# Altium PCB PCB.PcbDoc (part 3 of 3)
Units mil, origin at the board's own origin, x right, y up, seen from the top; angles counter-clockwise.
Board outline 5118.11 x 3622.05 mil, 2 copper layers (Top Layer, Bottom Layer), stack 61.811 mil thick; 308 components, 151 nets, 766 pads, 1310 vias.
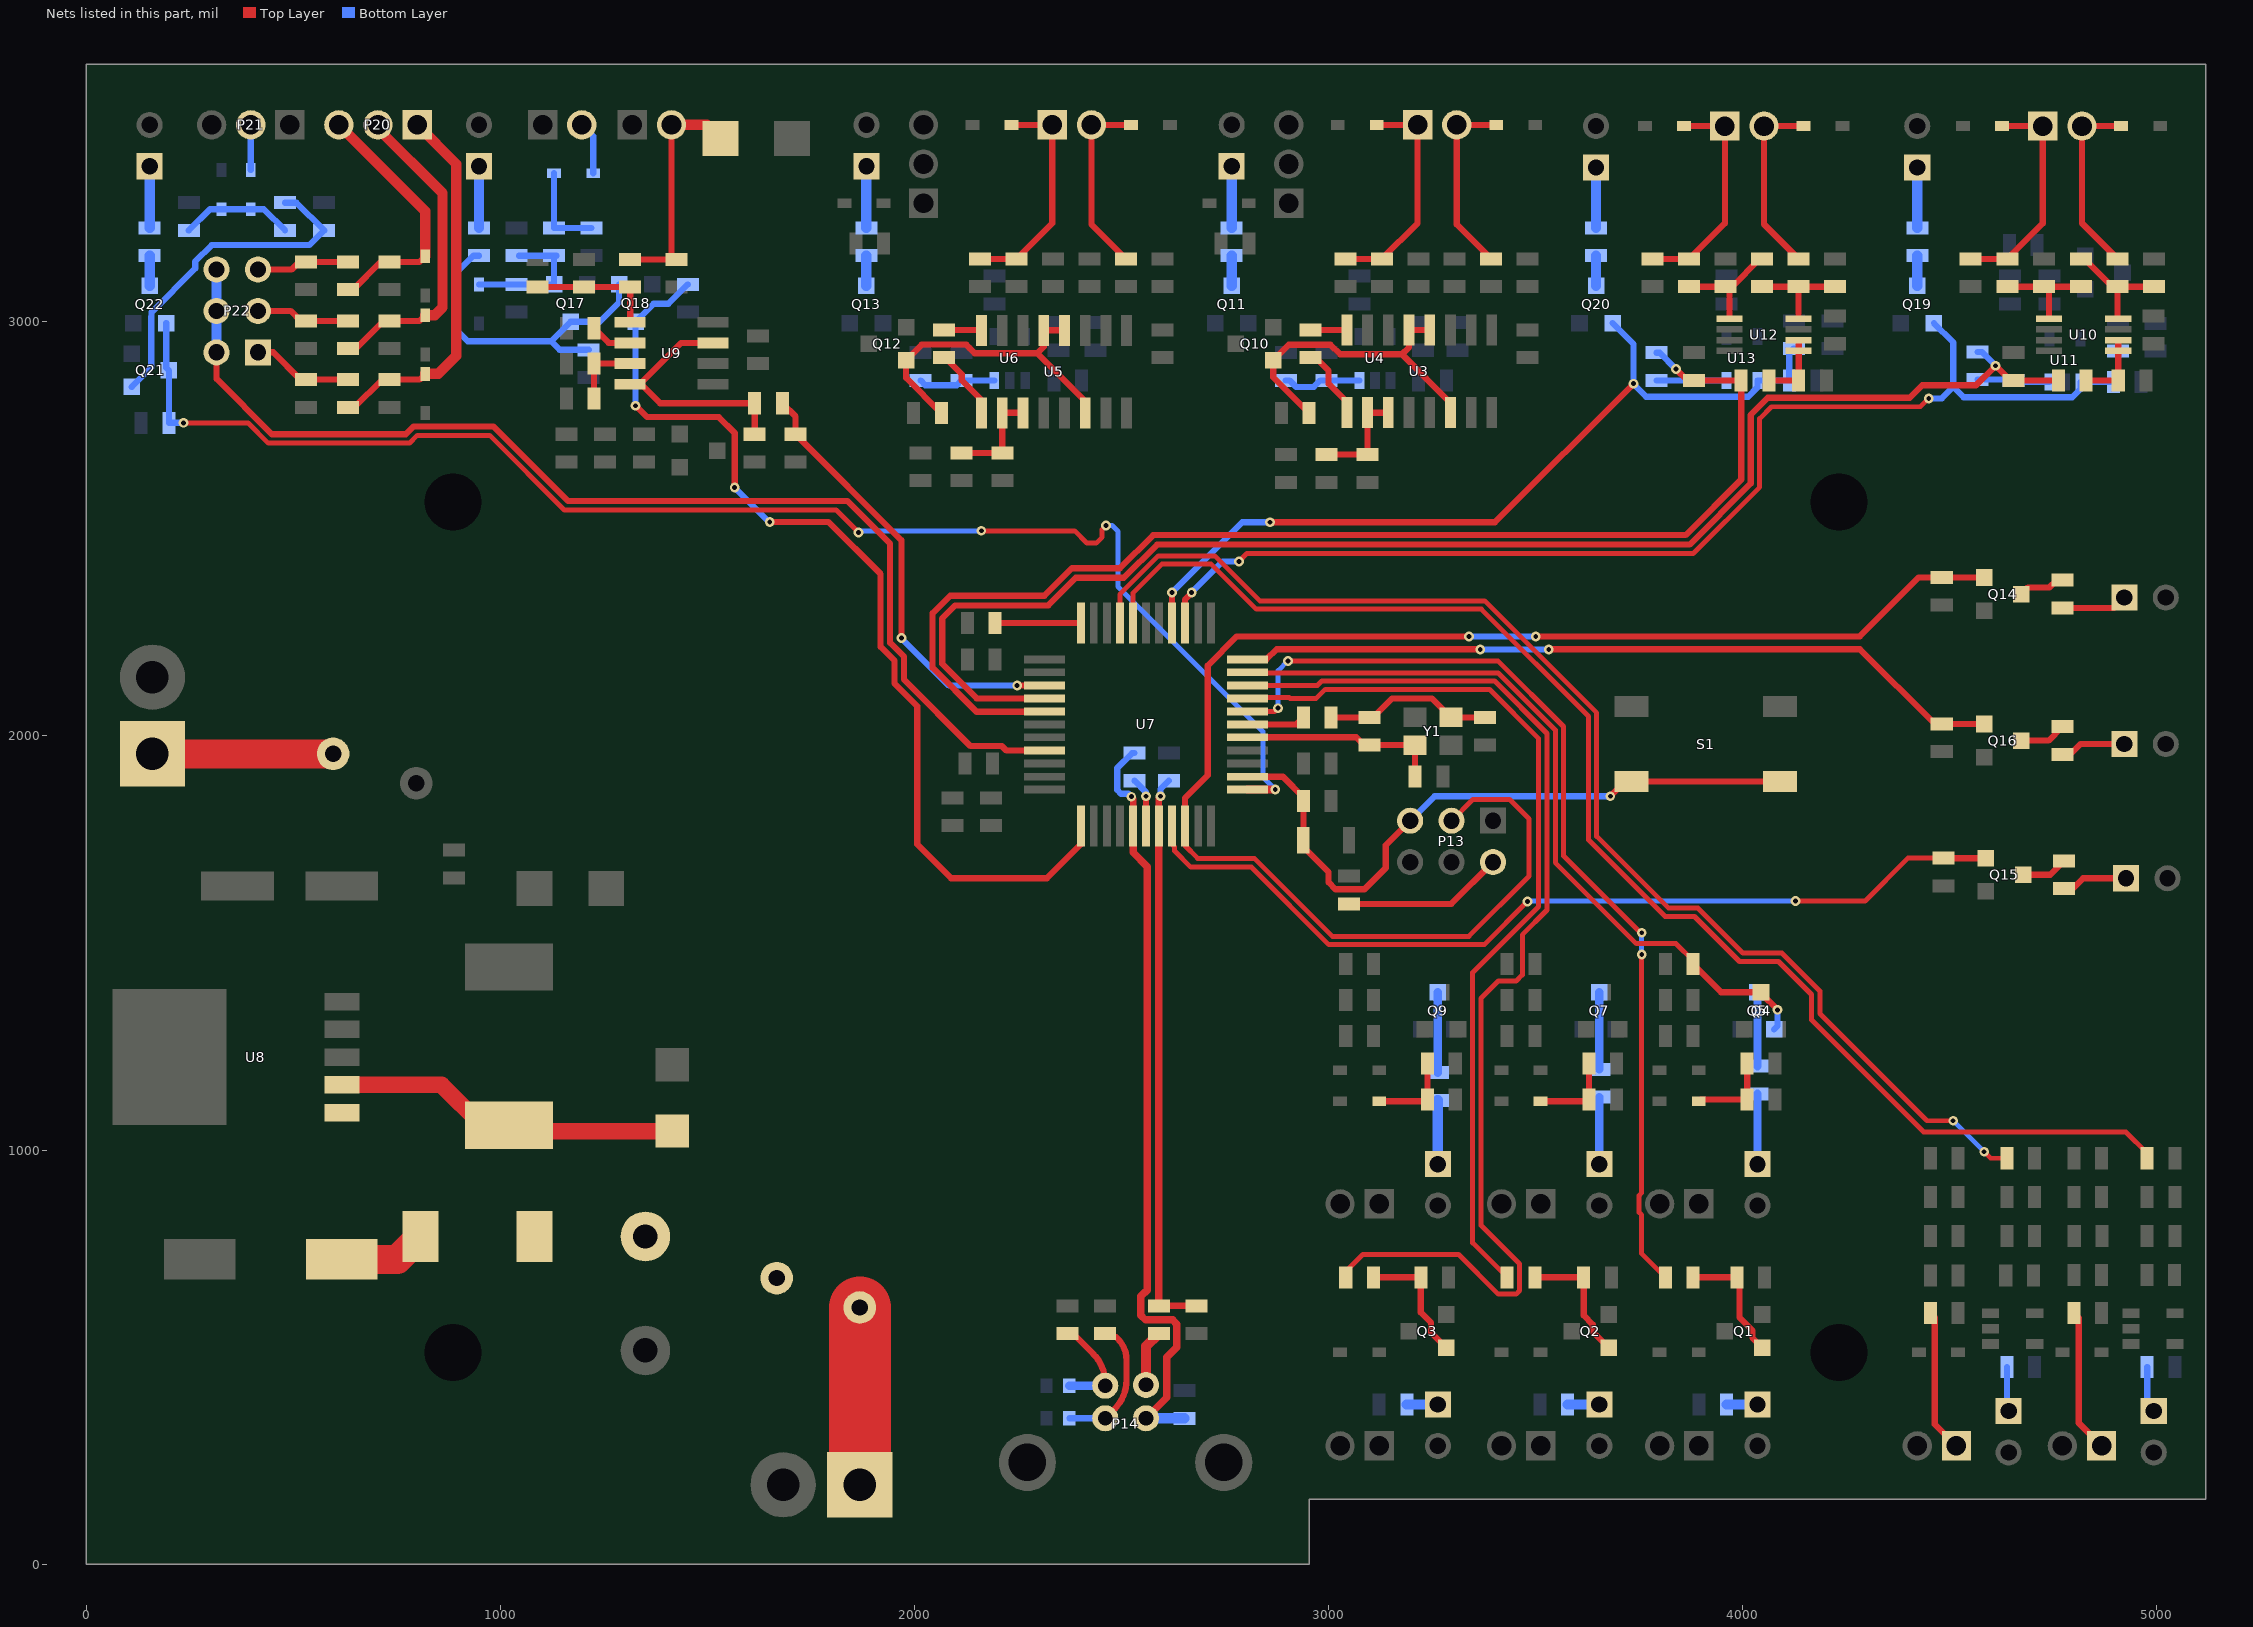
[diagram p3: the nets of this part, all layers, seen from the top]

## Via types
v1: diameter 23.62, hole 11.81, Top Layer to Bottom Layer, tented both sides, 1308 vias
v2: diameter 23.62, hole 11.81, Top Layer to Bottom Layer, 2 vias

## Nets (pads, with @x,y where several pads share a name; then routed paths per layer and width w, separated by ;. In a path a pad name is that pad's centre, name@x,y a point inside that pad or via, vN(x,y) a via of type N, cw(c..) or ccw(c..) an arc to the next point about the centre after c; other vN are vias at no path point) (continued)
NetC34_2: C34.2 U7.6 | length 120.6
  Top Layer w15: U7.6@2559.06,1782.56 v2(2559.06,1854.33)
  Bottom Layer w15: C34.2@2531.5,1891.73 2559.06,1864.17 v2(2559.06,1854.33)
NetC37_1: C37.1 D8.2 U8.1 | length 212.3
  Top Layer w70: C37.1@617.58,736.22 751.97,736.22 D8.2@807.09,791.34
NetC41_2: C41.2 C42.2 R73.1 U9.1 | length 308.1
  Top Layer w15: C42.2@1090.35,3083.54 C41.2@1202.03,3083.54 R73.1@1313.71,3083.54 U9.1@1313.71,2998.82
NetC43_2: C43.2 R74.2 U7.36 | length 1079
  Top Layer w15: R74.2@1681.1,2803.15 1712.8,2771.46 C43.2@1712.8,2728.35 1968.5,2472.64 v1(1968.5,2236.22) ; v1(2248.03,2121.56) U7.36@2314.06,2121.56
  Bottom Layer w15: v1(1968.5,2236.22) 2083.17,2121.56 v1(2248.03,2121.56)
NetC44_2: C44.2 U9.2 | length 102
  Top Layer w15: C44.2@1226.38,2984.25 1261.81,2948.82 U9.2@1313.71,2948.82
NetC45_2: C45.2 R77.1 U9.3 | length 171.2
  Top Layer w15: R77.1@1226.38,2814.96 C45.2@1226.38,2898.82 U9.3@1313.71,2898.82
NetC46_2: C46.2 D13.2 Q17.1 R81.1 R82.2 | length 341.1
  Bottom Layer w15: D13.2@948.82,3090 R82.2@1039.37,3090 Q17.1@1129.92,3090 R81.1@1129.92,3159.45 ; C46.2@1045.08,3159.45 R81.1@1135.63,3159.45
NetC51_1: C51.1 C54.2 R90.1 U10.8 | length 283.6
  Top Layer w15: C51.1@4815.98,3151.57 4824.8,3151.57 4891.73,3084.65 R90.1@4904.65,3084.65 ; U10.8@4906.5,3006.89 4904.65,3008.74 R90.1@4904.65,3084.65 ; C54.2@4993.31,3084.65 R90.1@4904.65,3084.65
NetC51_2: C51.2 C55.2 R87.1 U10.1 | length 260
  Top Layer w15: R87.1@4638.66,3084.65 C55.2@4727.32,3084.65 ; U10.1@4739.17,3006.89 4739.17,3072.8 C55.2@4727.32,3084.65 ; C51.2@4815.98,3084.65 C55.2@4727.32,3084.65
NetC58_1: C58.1 C61.2 R100.1 U12.8 | length 254
  Top Layer w15: C58.1@4046.38,3084.65 R100.1@4134.41,3084.65 ; U12.8@4134.84,3006.89 4134.41,3007.32 R100.1@4134.41,3084.65 ; C61.2@4222.44,3084.65 R100.1@4134.41,3084.65
NetC58_2: C58.2 C62.2 R97.1 U12.1 | length 285.3
  Top Layer w15: R97.1@3870.31,3084.65 C62.2@3958.35,3084.65 ; U12.1@3967.52,3006.89 3967.52,3075.47 C62.2@3958.35,3084.65 ; C58.2@4046.38,3151.57 4041.34,3151.57 3974.41,3084.65 C62.2@3958.35,3084.65
NetC66_2: C66.2 Q21.1 R111.2 | length 831
  Bottom Layer w15: Q21.1@110.04,2842.52 157.48,2889.96 157.48,3011.81 158.04,3012.37 158.04,3023.03 263.78,3128.77 263.78,3145.67 303.15,3185.04 539.37,3185.04 C66.2@574.8,3220.47 507.87,3287.4 R111.2@480.32,3287.4
NetD1_1: D1.1 R20.2 R23.2 | length 205
  Top Layer w15: D1.1@3893.7,1118.11 3897.64,1122.05 R23.2@4010.47,1122.05 R20.2@4010.47,1208.66
NetD2_1: D2.1 R22.2 R25.1 | length 205
  Top Layer w15: D2.1@3122.05,1118.11 3234.88,1118.11 R25.1@3238.81,1122.05 R22.2@3238.81,1208.66
NetD6_1: D6.1 R21.2 R24.1 | length 205
  Top Layer w15: D6.1@3511.81,1118.11 3624.64,1118.11 R24.1@3628.58,1122.05 R21.2@3628.58,1208.66
NetD8_1: D8.1 F1.2 TZ10.2
NetD9_2: D9.2 L4.1 U8.2 | length 843.9
  Top Layer w40: U8.2@617.58,1157.48 858.27,1157.48 955.71,1060.04 L4.1@1020.67,1060.04 1034.8,1045.91 D9.2@1415.24,1045.91
NetD11_1: D11.1 R79.2 R81.2 | length 222.4
  Bottom Layer w15: D11.1@1129.92,3358.27 R81.2@1129.92,3226.38 R79.2@1220.47,3226.38
NetD11_2: D11.2 P17.2 | length 128.4
  Bottom Layer w15: P17.2@1196.85,3475.28 1224.41,3447.72 D11.2@1224.41,3358.27
NetD14_1: D14.1 P21.2 | length 109.1
  Bottom Layer w15: D14.1@397.64,3366.14 P21.2@397.64,3475.28
NetD14_2: D14.2 R111.1 R112.1 TZ19.2 | length 274.7
  Bottom Layer w15: R112.1@248.03,3220.47 299.21,3271.65 TZ19.2@326.77,3271.65 D14.2@397.64,3271.65 429.13,3271.65 R111.1@480.32,3220.47
NetF1_1: F1.1 P15.1 | length 428.1
  Top Layer w150: P15.1@1868.11,191.93 F1.1@1868.11,620.08
NetF2_2: F2.2 P23.1 | length 436.3
  Top Layer w70: P23.1@160.16,1956.69 F2.2@596.46,1956.69
NetL2_1: L2.1 P14.1 | length 136.9
  Top Layer w25: P14.1@2559.05,433.07 2559.05,526.09 L2.1@2590.06,557.09
NetLED1_1: LED1.1 R5.1 | length 112.8
  Bottom Layer w15: R5.1@4976.38,476.38 4976.38,385.83 LED1.1@4992.13,370.08
NetLED2_1: LED2.1 R6.1 | length 107.9
  Bottom Layer w15: R6.1@4637.8,476.38 4637.8,374.02 LED2.1@4641.73,370.08
NetLED3_1: LED3.1 R14.1 | length 74.8
  Bottom Layer w25: R14.1@3960.63,385.83 LED3.1@4035.43,385.82
NetLED4_1: LED4.1 R15.1 | length 76.8
  Bottom Layer w25: R15.1@3576.77,385.83 LED4.1@3653.54,385.82
NetLED5_1: LED5.1 R16.1 | length 74.8
  Bottom Layer w25: R16.1@3188.98,385.83 LED5.1@3263.78,385.82
NetLED6_1: LED6.1 R29.1 | length 169.7
  Bottom Layer w20: LED6.1@4035.43,966.15 R29.1@4035.43,1135.83
NetLED7_1: LED7.1 R30.1 | length 161.8
  Bottom Layer w20: LED7.1@3653.54,966.15 R30.1@3653.54,1127.95
NetLED8_1: LED8.1 R31.1 | length 153.9
  Bottom Layer w25: LED8.1@3263.78,966.15 R31.1@3263.78,1120.08
NetLED9_1: LED9.1 R45.1 | length 148.9
  Bottom Layer w25: R45.1@2765.94,3226.38 LED9.1@2765.95,3375.28
NetLED10_1: LED10.1 R53.1 | length 148.9
  Bottom Layer w25: R53.1@1884.06,3226.38 LED10.1@1884.06,3375.28
NetLED11_1: LED11.1 R66.2 | length 159.9
  Top Layer w15: R66.2@4771.65,2309.06 4896.29,2309.06 LED11.1@4921.26,2334.02
NetLED12_1: LED12.1 R67.2 | length 159.9
  Top Layer w15: R67.2@4775.59,1631.26 4796.61,1631.26 4821.58,1656.23 LED12.1@4925.2,1656.23
NetLED13_1: LED13.1 R68.2 | length 159.9
  Top Layer w15: R68.2@4771.65,1955.35 4790,1955.35 4814.97,1980.32 LED13.1@4921.26,1980.32
NetLED14_1: LED14.1 R83.1 | length 148.9
  Bottom Layer w25: R83.1@948.82,3226.38 LED14.1@948.82,3375.28
NetLED15_1: LED15.1 R93.1 | length 146.1
  Bottom Layer w25: R93.1@4421.26,3226.38 LED15.1@4421.26,3372.44
NetLED16_1: LED16.1 R103.1 | length 146.1
  Bottom Layer w25: R103.1@3645.67,3226.38 LED16.1@3645.67,3372.44
NetLED17_1: LED17.1 R113.1 | length 148.9
  Bottom Layer w25: R113.1@153.54,3226.38 LED17.1@153.54,3375.28
NetP1_1: P1.1 R1.1 | length 348.2
  Top Layer w15: R1.1@4799.21,606.3 4810.91,594.6 4810.91,341.06 P1.1@4866.14,285.82
NetP2_1: P2.1 R7.1 | length 346.6
  Top Layer w15: R7.1@4452.76,606.3 4463.58,595.47 4463.58,337.99 P2.1@4515.75,285.82
NetP10_1: P10.1 R43.2 R46.2 TZ7.2 | length 545.9
  Top Layer w15: R46.2@3040.35,3151.57 R43.2@3128.39,3151.57 3214.76,3237.95 P10.1@3214.76,3475.28 TZ7.2@3116.34,3475.28
NetP10_2: P10.2 R39.2 TZ6.2 | length 453.5
  Top Layer w15: R39.2@3392.48,3151.57 3309.25,3234.8 P10.2@3309.25,3475.28 TZ6.2@3404.53,3475.28
NetP12_1: P12.1 R56.2 R58.2 TZ9.2 | length 545.9
  Top Layer w15: R58.2@2158.46,3151.57 R56.2@2246.5,3151.57 2332.87,3237.95 P12.1@2332.87,3475.28 TZ9.2@2234.45,3475.28
NetP12_2: P12.2 R54.2 TZ8.2 | length 453.5
  Top Layer w15: R54.2@2510.59,3151.57 2427.36,3234.8 P12.2@2427.36,3475.28 TZ8.2@2522.64,3475.28
NetP13_2: P13.2 R62.1 | length 389.4
  Top Layer w15: R62.1@3049.21,1594.49 3296.06,1594.49 P13.2@3396.85,1695.28
NetP14_2: P14.2 R64.1 Z1.2 | length 251.9
  Top Layer w15: R64.1@2370.08,557.09 cw(c2370.08,526.2) 2391.92,548.04 2431.34,508.62 cw(c2360.63,437.91) 2460.63,437.91 P14.2@2460.63,431.18
  Bottom Layer w20: Z1.2@2374.02,431.18 P14.2@2460.63,431.18
NetP14_3: P14.3 R65.1 Z2.2 | length 335
  Top Layer w15: P14.3@2460.63,352.44 2482.77,374.58 ccw(c2412.06,445.29) 2512.06,445.29 2512.06,493.41 ccw(c2439.73,493.41) 2490.87,544.56 ccw(c2460.63,514.31) R65.1@2460.63,557.09
  Bottom Layer w15: Z2.2@2374.02,352.44 P14.3@2460.63,352.44
NetP16_2: P16.2 R73.2 R75.1 TZ11.2 | length 573.1
  Top Layer w15: R73.2@1313.71,3150.47 R75.1@1425.39,3150.47 1413.39,3162.48 P16.2@1413.39,3475.28
  Top Layer w25: P16.2@1413.39,3475.28 1498.74,3475.28 TZ11.2@1531.5,3442.52
NetP18_1: P18.1 R87.2 R94.2 TZ12.2 | length 543.5
  Top Layer w15: R94.2@4550,3151.57 R87.2@4638.66,3151.57 4724.41,3237.32 P18.1@4724.41,3472.44 TZ12.2@4625.98,3472.44
NetP18_2: P18.2 R90.2 TZ13.2 | length 450.9
  Top Layer w15: R90.2@4904.65,3151.57 4818.9,3237.32 P18.2@4818.9,3472.44 TZ13.2@4913.39,3472.44
NetP19_1: P19.1 R97.2 R104.2 TZ14.2 | length 543.1
  Top Layer w15: R104.2@3782.28,3151.57 R97.2@3870.31,3151.57 3956.69,3237.95 P19.1@3956.69,3472.44 TZ14.2@3858.27,3472.44
NetP19_2: P19.2 R100.2 TZ15.2 | length 450.6
  Top Layer w15: R100.2@4134.41,3151.57 4051.18,3234.8 P19.2@4051.18,3472.44 TZ15.2@4146.46,3472.44
NetP22_2: P22.2 P22.4 P22.6 U7.41 | length 2823.1
  Top Layer w15: P22.2@314.96,2926.06 314.96,2862.2 448.82,2728.35 771.84,2728.35 790.73,2747.23 983.31,2747.23 1163.62,2566.93 1838.58,2566.93 1941.19,2464.32 1941.19,2224.91 1974.93,2191.17 1974.93,2135.87 2135.16,1975.63 2211.14,1975.63 2222.22,1964.56 U7.41@2314.06,1964.56
  Bottom Layer w25: P22.2@314.96,2926.06 P22.4@314.96,3026.06 P22.6@314.96,3126.06
NetQ1_1: Q1.1 R11.2 R17.1 | length 301
  Top Layer w15: R17.1@3879.92,692.91 R11.2@3985.78,692.91 3992.19,686.5 3992.19,595.57 4023.62,564.14 4023.62,546.06 Q1.1@4046.69,522.99
NetQ2_1: Q2.1 R12.2 R18.1 | length 312.8
  Top Layer w15: R18.1@3498.03,692.91 R12.2@3615.7,692.91 3615.7,600.84 3637.8,578.74 3637.8,561.81 Q2.1@3676.61,522.99
NetQ3_1: Q3.1 R13.2 R19.1 | length 309.4
  Top Layer w15: R19.1@3108.27,692.91 R13.2@3222.55,692.91 3222.55,608.16 3247.4,583.31 3247.4,559.06 Q3.1@3283.46,522.99
NetQ4_2: Q4.2 Q5.1 R32.2 U7.21 | length 1862.3
  Top Layer w12: U7.21@2804.06,2153.56 2805.19,2152.43 3409.06,2152.43 3547.24,2014.24 3547.24,1693.81 3742.8,1498.25 3838.62,1498.25 3879.92,1456.95 R32.2@3879.92,1448.82
  Top Layer w15: R32.2@3879.92,1448.82 3947.4,1381.34 Q4.2@4043.93,1381.34 4043.93,1378.58 v1(4083.93,1338.58)
  Bottom Layer w15: Q5.1@4075.43,1291.34 4083.93,1299.84 v1(4083.93,1338.58)
NetQ5_2: Q5.2 R29.2 | length 178.6
  Bottom Layer w20: R29.2@4035.43,1202.76 Q5.2@4035.43,1381.34
NetQ7_2: Q7.2 R30.2 | length 186.5
  Bottom Layer w20: R30.2@3653.54,1194.88 Q7.2@3653.54,1381.34
NetQ9_2: Q9.2 R31.2 | length 194.3
  Bottom Layer w20: R31.2@3263.78,1187.01 Q9.2@3263.78,1381.34
NetQ10_1: Q10.1 R35.2 U3.4 U3.5 U3.14 | length 805
  Top Layer w15: R35.2@2952.76,2779.53 2866.14,2866.14 Q10.1@2866.14,2906.85 2903.93,2944.63 3004.18,2944.63 3027.56,2921.26 3177.17,2921.26 ; U3.4@3244.09,2980.32 U3.5@3194.09,2980.32 3194.09,2938.19 3177.17,2921.26 ; U3.14@3294.09,2780.32 3294.09,2804.33 3177.17,2921.26
NetQ11_2: Q11.2 R45.2 | length 72.8
  Bottom Layer w25: Q11.2@2765.94,3086.61 R45.2@2765.94,3159.45
NetQ12_1: Q12.1 R48.2 U5.4 U5.5 U5.14 | length 807.8
  Top Layer w15: R48.2@2064.96,2779.53 1979.76,2864.72 Q12.1@1979.76,2906.85 2017.8,2944.88 2125.22,2944.88 2133.7,2936.39 2133.7,2935.41 2145.15,2923.96 2296.51,2923.96 ; U5.4@2362.2,2979.33 U5.5@2312.2,2979.33 2312.2,2939.66 2296.51,2923.96 ; U5.14@2412.2,2780.32 2412.2,2808.27 2296.51,2923.96
NetQ13_2: Q13.2 R53.2 | length 72.8
  Bottom Layer w25: Q13.2@1884.06,3086.61 R53.2@1884.06,3159.45
NetQ14_2: Q14.2 R66.1 | length 112.8
  Top Layer w15: Q14.2@4672.68,2342.52 4688.43,2358.27 4740.16,2358.27 4757.87,2375.98 R66.1@4771.65,2375.98
NetQ15_2: Q15.2 R67.1 | length 112.8
  Top Layer w15: Q15.2@4676.61,1664.72 4742.13,1664.72 R67.1@4775.59,1698.19
NetQ16_2: Q16.2 R68.1 | length 112.8
  Top Layer w15: Q16.2@4672.68,1988.82 4738.19,1988.82 R68.1@4771.65,2022.28
NetQ17_2: Q17.2 Q18.1 R83.2 R115.2 | length 796.3
  Bottom Layer w15: R83.2@948.82,3159.45 935.04,3159.45 893.7,3118.11 893.7,2980.31 921.26,2952.76 1122.68,2952.76 ; R115.2@1213.58,2932.09 1143.35,2932.09 1122.68,2952.76 ; Q18.1@1286.77,3090 1286.77,3046.61 1240.16,3000 Q17.2@1169.92,3000 1122.68,2952.76
NetQ18_2: Q18.2 R84.1 U7.1 | length 2399.4
  Top Layer w15: v1(1326.77,2797.24) 1354.33,2769.69 1527.56,2769.69 1565.94,2731.3 v1(1565.94,2599.41) ; v1(1650.59,2516.73) 1792.32,2516.73 1918.19,2390.86 1918.19,2215.38 1951.93,2181.64 1951.93,2126.34 2006.89,2071.38 2006.89,1738.19 2088.58,1656.5 2319.88,1656.5 2402.06,1738.67 U7.1@2402.06,1782.56
  Bottom Layer w15: v1(1326.77,2797.24) Q18.2@1326.77,3000 1370.08,3043.31 1406.06,3043.31 R84.1@1452.76,3090 ; v1(1565.94,2599.41) 1648.62,2516.73 v1(1650.59,2516.73)
NetQ19_2: Q19.2 R93.2 | length 72.8
  Bottom Layer w25: Q19.2@4421.26,3086.61 R93.2@4421.26,3159.45
NetQ20_2: Q20.2 R103.2 | length 72.8
  Bottom Layer w25: Q20.2@3645.67,3086.61 R103.2@3645.67,3159.45
NetQ21_2: Q21.2 Q22.1 R114.2 U7.12 | length 3556.9
  Top Layer w12: v1(235.24,2755.91) 390.85,2755.91 439.91,2706.85 780.74,2706.85 799.63,2725.73 974.41,2725.73 1154.71,2545.43 1810.87,2545.43 v1(1865.16,2491.14) ; v1(2161.52,2495.2) 2386.84,2495.2 2416.59,2465.45 2438.79,2465.45 2453.09,2479.75 2453.09,2498.37 v1(2462.6,2507.87) v1@2461.61,2507.87
  Top Layer w20: U7.12@2804.06,1870.56 v1(2871.06,1870.56)
  Bottom Layer w12: v1(1865.16,2491.14) 1869.22,2495.2 v1(2161.52,2495.2) ; v1(2462.6,2507.87) 2477.36,2507.87 2491.36,2493.87 2491.36,2360.45 2841.54,2010.28 2841.54,1900.09 v1(2871.06,1870.56)
  Bottom Layer w15: Q22.1@193.54,2996.61 193.54,2889.02 Q21.2@200.04,2882.52 R114.2@200.04,2755.91 v1(235.24,2755.91)
NetQ22_2: Q22.2 R113.2 | length 72.8
  Bottom Layer w25: Q22.2@153.54,3086.61 R113.2@153.54,3159.45
NetR2_2: R2.2 U7.29 | length 3361.6
  Top Layer w12: U7.29@2528.06,2272.56 2528.06,2345.53 2597.28,2414.75 2716.62,2414.75 2825.4,2305.97 3368.65,2305.97 3627.24,2047.38 3627.24,1749.21 3812.51,1563.94 3883.49,1563.94 3992.09,1455.34 4086.3,1455.34 4165.98,1375.65 4165.98,1314.33 4436.69,1043.62 4924.88,1043.62 4976.38,992.13 R2.2@4976.38,980.31
NetR8_2: R8.2 U7.30 | length 3058.3
  Top Layer w12: U7.30@2496.06,2272.56 2496.06,2341.81 2589,2434.75 2724.9,2434.75 2833.69,2325.97 3376.94,2325.97 3647.24,2055.66 3647.24,1757.49 3820.8,1583.94 3891.78,1583.94 4000.38,1475.34 4094.58,1475.34 4185.98,1383.94 4185.98,1329.76 4444.88,1070.87 v1(4507.87,1070.87) ; v1(4582.68,996.06) 4598.43,980.31 R8.2@4637.8,980.31
  Bottom Layer w12: v1(4507.87,1070.87) v1(4582.68,996.06)
NetR17_2: R17.2 U7.18 | length 2371.2
  Top Layer w12: U7.18@2804.06,2058.56 2869.58,2058.56 v1(2877.95,2066.93) ; v1(2901.57,2181.1) 3408.67,2181.1 3567.24,2022.52 3567.24,1710.31 3752.88,1524.68 v1(3756.09,1524.68) ; v1(3755.91,1472.44) 3755.91,896.7 3749.78,890.55 3749.78,849.6 3755.91,843.48 3755.91,750 R17.2@3812.99,692.91
  Bottom Layer w12: v1(2877.95,2066.93) 2877.95,2157.48 v1(2901.57,2181.1) ; v1(3755.91,1472.44) 3755.91,1524.5 v1(3756.09,1524.68)
NetR18_2: R18.2 U7.19 | length 2164.3
  Top Layer w12: U7.19@2804.06,2090.56 2806.24,2092.74 2904.39,2092.74 2906.57,2090.56 2970.12,2090.56 2991.98,2112.43 3388.25,2112.43 3507.24,1993.43 3507.24,1587.95 3347.89,1428.6 3347.89,776.13 R18.2@3431.1,692.91
NetR19_2: R19.2 U7.20 | length 2748.7
  Top Layer w12: U7.20@2804.06,2121.56 2972.83,2121.56 2983.7,2132.43 3400.78,2132.43 3527.24,2005.96 3527.24,1579.67 3467.52,1519.94 3467.52,1423.11 3452.65,1408.24 3409.56,1408.24 3367.89,1366.58 3367.89,818.25 3460.85,725.29 3460.85,660.54 3452.65,652.34 3409.56,652.34 3313.86,748.03 3082.68,748.03 3041.34,706.69 R19.2@3041.34,692.91
NetR36_1: R36.1 U3.9 | length 176.2
  Top Layer w15: R36.1@2956.69,2913.39 2968.5,2913.39 3000,2881.89 3000,2850.39 3044.09,2806.3 U3.9@3044.09,2780.32
NetR36_2: R36.2 U3.8 | length 87.4
  Top Layer w15: R36.2@2956.69,2980.32 U3.8@3044.09,2980.32
NetR38_2: R38.2 R41.2 U4.3 | length 191.3
  Bottom Layer w15: R41.2@2896.57,2858.27 2905.51,2858.27 2921.26,2842.52 2964.57,2842.52 2980.31,2858.27 R38.2@2995.33,2858.27 U4.3@3074.8,2858.27
NetR40_1: R40.1 R44.1 U3.10 U3.11 | length 249.9
  Top Layer w15: R40.1@2995.33,2679.13 R44.1@3094.09,2679.13 U3.10@3094.09,2780.32 U3.11@3144.09,2780.32
NetR49_2: R49.2 R50.2 U6.3 | length 187.8
  Bottom Layer w15: R50.2@2014.69,2858.27 2026.25,2846.7 2101.88,2846.7 R49.2@2113.45,2858.27 U6.3@2192.91,2858.27
NetR51_1: R51.1 U5.9 | length 172.8
  Top Layer w15: R51.1@2070.87,2913.39 2074.06,2913.39 2114.17,2873.27 2114.17,2858.27 2162.2,2810.24 U5.9@2162.2,2780.32
NetR51_2: R51.2 U5.8 | length 91.7
  Top Layer w15: R51.2@2070.87,2980.32 2161.22,2980.32 U5.8@2162.2,2979.33
NetR55_1: R55.1 R57.1 U5.10 U5.11 | length 246
  Top Layer w15: R55.1@2113.45,2683.07 R57.1@2212.2,2683.07 2212.2,2780.32 U5.11@2262.2,2780.32
NetR61_2: R61.2 U7.17 | length 142
  Top Layer w15: U7.17@2804.06,2027.56 2921.85,2027.56 R61.2@2938.98,2044.69
NetR63_2: R63.2 U7.33 | length 207.2
  Top Layer w15: R63.2@2194.88,2272.56 U7.33@2402.06,2272.56
NetR74_1: R74.1 R76.1 U9.4 U9.7 | length 612.3
  Top Layer w15: U9.4@1313.71,2848.82 U9.4@1337.01,2848.82 ; U9.7@1513.71,2948.82 1437.01,2948.82 U9.4@1337.01,2848.82 ; R76.1@1614.17,2728.35 R74.1@1614.17,2803.15 1385.83,2803.15 1340.16,2848.82 U9.4@1337.01,2848.82
NetR86_2: R86.2 R89.2 U11.3 | length 175.7
  Bottom Layer w15: R89.2@4566.93,2860.24 4651.57,2860.24 R86.2@4653.54,2858.27 4657.61,2854.2 U11.3@4740.16,2854.2
NetR88_1: R88.1 R92.1 U10.5 U10.6 | length 175.2
  Top Layer w15: R88.1@4828.74,2858.27 R92.1@4906.5,2858.27 U10.5@4906.5,2930.12 U10.6@4906.5,2955.71
NetR96_2: R96.2 R99.2 U13.3 | length 169.3
  Bottom Layer w15: R99.2@3791.34,2858.27 R96.2@3881.89,2858.27 U13.3@3960.63,2858.27
NetR98_1: R98.1 R102.1 U12.5 U12.6 | length 169.3
  Top Layer w15: R98.1@4062.99,2858.27 R102.1@4134.84,2858.27 U12.5@4134.84,2930.12 U12.6@4134.84,2955.71
RST: D7.1 P13.5 R60.2 S1.3 S1.4 U7.13 | length 1622.9
  Top Layer w15: U7.13@2804.06,1901.56 2889.78,1901.56 2938.98,1852.36 R60.2@2938.98,1842.52 D7.1@2938.98,1748.03 2938.98,1732.28 3000,1671.26 3000,1646.39 3016.47,1629.92 3086.61,1629.92 3137.8,1681.1 3137.8,1736.22 P13.5@3196.85,1795.28 ; v1(3680.12,1854.33) 3715.55,1889.76 S1.3@3731.3,1889.76 S1.4@4089.57,1889.76
  Bottom Layer w15: P13.5@3196.85,1795.28 3255.91,1854.33 v1(3680.12,1854.33)
RXLED: Q15.1 R70.2 U7.8 | length 2201.8
  Top Layer w12: U7.8@2622.06,1782.56 2622.06,1738.18 2627.95,1732.28 2627.95,1722.44 2667.32,1683.07 2813.66,1683.07 3000.66,1496.06 3375.98,1496.06 v1(3480.32,1600.39) ; v1(4126.97,1601.38) 4295.28,1601.38 4398.62,1704.72 R70.2@4484.25,1704.72
  Top Layer w15: R70.2@4484.25,1704.72 Q15.1@4586.61,1704.72
  Bottom Layer w12: v1(3480.32,1600.39) 3481.76,1601.83 3482.21,1601.38 v1(4126.97,1601.38)
SCK: P13.3 Q14.1 R69.2 U7.9 | length 3777.3
  Top Layer w12: U7.9@2653.06,1782.56 2653.06,1735.31 2683.96,1704.41 2820.6,1704.41 3008.95,1516.06 3338.55,1516.06 3484.25,1661.76 3484.25,1799.21 3437.01,1846.46 3348.03,1846.46 P13.3@3296.85,1795.28
  Top Layer w15: U7.9@2653.06,1782.56 2653.06,1849.91 2708.06,1904.91 2708.06,2169.93 2778.28,2240.16 v1(3338.58,2240.16) ; v1(3500,2240.16) 4282.48,2240.16 4424.84,2382.52 R69.2@4480.32,2382.52 R69.2@4486.85,2382.52 ; R69.2@4480.32,2375.98 R69.2@4486.85,2382.52 ; Q14.1@4582.68,2382.52 R69.2@4486.85,2382.52
  Bottom Layer w15: v1(3338.58,2240.16) v1(3500,2240.16)
THERM_CON_1: Q19.1 R85.2 R91.1 U7.25 U11.1 | length 2898.1
  Top Layer w12: v1(2783.46,2421.26) 2802.58,2440.37 3880.31,2440.37 4040.56,2600.62 4040.56,2766.06 4069.19,2794.69 4428.55,2794.69 v1(4448.82,2814.96)
  Top Layer w15: U7.25@2653.06,2272.56 2653.06,2329.24 2670.28,2346.46 v1(2669.29,2346.46)
  Bottom Layer w15: v1(2669.29,2346.46) 2744.09,2421.26 v1(2783.46,2421.26) ; v1(4448.82,2814.96) 4480.31,2814.96 4507.87,2842.52 ; Q19.1@4461.26,2996.61 4507.87,2950 4507.87,2842.52 ; R85.2@4905.51,2929.13 4905.51,2865.03 R91.1@4894.69,2854.2 U11.1@4814.96,2854.2 4814.96,2837.21 4795.28,2817.52 4532.87,2817.52 4507.87,2842.52
THERM_CON_2: Q20.1 R95.2 R101.1 U7.26 U13.1 | length 2061.2
  Top Layer w15: U7.26@2622.06,2272.56 v1(2622.06,2346.46) ; v1(2858.27,2515.75) 3401.57,2515.75 v1(3736.22,2850.39)
  Bottom Layer w15: v1(2622.06,2346.46) 2791.35,2515.75 v1(2858.27,2515.75) ; Q20.1@3685.67,2996.61 3736.22,2946.06 v1(3736.22,2850.39) 3736.22,2849.14 3766.47,2818.9 4013.06,2818.9 4035.43,2841.27 U13.1@4035.43,2858.27 R101.1@4112.2,2858.27 4112.2,2924.21 R95.2@4123.03,2935.04
THERM_SIG_1: C52.2 R88.2 R89.1 U7.37 | length 3507.7
  Top Layer w15: U7.37@2314.06,2090.56 2150.34,2090.56 2066.93,2173.98 2066.93,2283.62 2098.27,2314.96 2322.83,2314.96 2389.52,2381.64 2505.48,2381.64 2585.71,2461.87 3871.41,2461.87 4019.06,2609.53 4019.06,2774.97 4060.29,2816.19 4402.81,2816.19 4433.07,2846.46 4562.99,2846.46 v1(4610.24,2893.7) 4645.67,2858.27 C52.2@4653.54,2858.27 R88.2@4761.81,2858.27
  Bottom Layer w15: R89.1@4566.93,2927.17 4576.77,2927.17 v1(4610.24,2893.7)
THERM_SIG_2: C59.2 R98.2 R99.1 U7.38 | length 3003.1
  Top Layer w15: U7.38@2314.06,2058.56 2149.82,2058.56 2043.93,2164.45 2043.93,2295.9 2086.61,2338.58 2313.93,2338.58 2380.24,2404.89 2496.2,2404.89 2576.19,2484.87 3861.88,2484.87 3996.06,2619.05 R98.2@3996.06,2858.27 C59.2@3881.89,2858.27 3866.14,2858.27 v1(3838.58,2885.82)
  Bottom Layer w15: R99.1@3791.34,2925.2 3799.2,2925.2 v1(3838.58,2885.82)
TXLED: Q16.1 R71.2 U7.22 | length 1864.1
  Top Layer w15: U7.22@2804.06,2184.56 2849.91,2184.56 2874.64,2209.28 3365.52,2209.28 v1(3366.14,2208.66) ; v1(3531.5,2208.66) 3532.12,2209.28 4282.84,2209.28 4463.31,2028.82 R71.2@4480.32,2028.82 Q16.1@4582.68,2028.82
  Bottom Layer w15: v1(3366.14,2208.66) v1(3531.5,2208.66)
UGND: C34.1 L3.2 P14.4 U7.5 | length 1872.6
  Top Layer w15: v1(2523.62,1853.35) 2528.06,1848.91 U7.5@2528.06,1782.56
  Top Layer w18: U7.5@2528.06,1782.56 2528.06,1718.55 2562.06,1684.55 2562.06,661.79 2557.02,656.76 2556.44,656.76 2546.48,646.81 2546.48,601.23 2557.87,589.83 2623.67,589.83 2633.63,579.88 2633.63,524.34 2609.25,499.96 2609.25,402.64 P14.4@2559.05,352.44
  Bottom Layer w15: v1(2523.62,1853.35) 2516.48,1860.48 2498.5,1860.48 2489.42,1869.56 2489.42,1922.49 2525.59,1958.66 C34.1@2531.5,1958.66
  Bottom Layer w25: P14.4@2559.05,352.44 L3.2@2651.57,352.44
VIB_X: P20.1 R105.2 R108.1 TZ16.2 | length 910.3
  Top Layer w15: R105.2@631.89,2793.31 647.64,2793.31 714.57,2860.24 R108.1@732.28,2860.24 805.12,2860.24 TZ16.2@818.9,2874.02
  Top Layer w25: P20.1@799.21,3475.28 893.7,3380.79 893.7,2917.32 850.39,2874.02 TZ16.2@818.9,2874.02
VIB_X_PROT: C63.2 P22.1 R105.1 | length 244.2
  Top Layer w15: P22.1@414.96,2926.06 451.89,2926.06 517.72,2860.24 C63.2@531.5,2860.24 R105.1@631.89,2860.24
VIB_Y: P20.2 R106.2 R109.1 TZ17.2 | length 775.2
  Top Layer w15: R106.2@631.89,2935.04 651.57,2935.04 718.5,3001.97 R109.1@732.28,3001.97 805.12,3001.97 TZ17.2@818.9,3015.75
  Top Layer w25: P20.2@704.72,3475.28 704.72,3466.54 860.7,3310.56 860.7,3034.91 841.54,3015.75 TZ17.2@818.9,3015.75
VIB_Y_PROT: C64.2 P22.3 R106.1 | length 226.9
  Top Layer w15: P22.3@414.96,3026.06 493.62,3026.06 517.72,3001.97 C64.2@531.5,3001.97 R106.1@631.89,3001.97
VIB_Z: P20.3 R107.2 R110.1 TZ18.2 | length 623.9
  Top Layer w15: R107.2@631.89,3077.52 644.45,3077.52 711.38,3144.45 R110.1@732.28,3144.45 805.12,3144.45 TZ18.2@818.9,3158.23
  Top Layer w25: P20.3@610.24,3475.28 818.9,3266.61 TZ18.2@818.9,3158.23
VIB_Z_PROT: C65.2 P22.5 R107.1 | length 224.5
  Top Layer w15: P22.5@414.96,3126.06 496.14,3126.06 514.53,3144.45 C65.2@531.5,3144.45 R107.1@631.89,3144.45
VUSB: C35.1 C36.1 L2.2 U7.7 | length 1368.8
  Top Layer w15: L2.2@2590.06,624.02 C35.1@2681.1,624.02 ; U7.7@2590.06,1782.56 2590.06,1850.39 v2(2593.99,1854.33)
  Top Layer w18: L2.2@2590.06,624.02 U7.7@2590.06,1782.56
  Bottom Layer w15: v2(2593.99,1854.33) 2593.99,1871.55 C36.1@2614.17,1891.73
XTAL1: C31.2 R59.2 U7.16 Y1.1 | length 488.6
  Top Layer w15: U7.16@2804.06,1996.56 3066.43,1996.56 3085.24,1977.76 R59.2@3098.43,1977.76 Y1.1@3208.66,1977.76 C31.2@3208.66,1901.57
XTAL2: C30.2 R59.1 R61.1 Y1.3 | length 410
  Top Layer w15: R61.1@3005.91,2044.69 R59.1@3098.43,2044.69 3107.68,2044.69 3153.54,2090.55 3249.41,2090.55 Y1.3@3295.28,2044.69 C30.2@3377.95,2044.69
pads on no net: D10.2 D12.2 H1.1 H2.1 H3.1 H4.1 U3.13 U3.15 U3.16 U5.13 U5.15 U5.16 U10.4 U12.4

## Polygon pours and split planes (outlines as drawn)
GND on Bottom Layer "GND_L02_P000" (solid, remove dead copper, pour order 0): 0,0 0,3622.05 5118.11,3622.05 5118.11,157.48 2952.76,157.48 2952.76,0
GND on Top Layer "GND_L01_P002" (solid, remove dead copper, pour order 2): 0,0 0,3622.05 5118.11,3622.05 5118.11,157.48 2952.76,157.48 2952.76,0

## Keep-outs
Keep-Out Layer:
  the board outline again, w10

## Other copper
Top Layer:
  region net 5V: 574.8,1313.08 681.1,1313.08 ccw(c681.1,1350.48) 718.5,1350.48 718.5,1542.32 ccw(c659.45,1542.32) 659.45,1601.38 529.48,1601.38 529.48,1674.21 543.68,1674.21 ccw(c543.68,1723.11) 592.58,1723.11 592.58,1826.18 cw(c692.58,1826.18) 692.58,1926.18 797.24,1926.18 cw(c797.24,1884.84) 838.58,1884.84 838.58,1696.85 ccw(c862.32,1696.85) 862.32,1673.11 1126.97,1674.21 1126.97,1369.69 cw(c1026.97,1369.68) 1026.97,1269.69 574.8,1269.69
  region net NetD9_2: 574.8,1179.13 1201.69,1179.13 cw(c1201.69,1079.13) 1272.4,1149.84 1314.96,1107.28 ccw(c1364.86,1157.18) 1364.86,1086.61 1455.71,1086.61 1455.71,1004.92 cw(c1450.96,1009.67) 1450.96,1002.95 886.89,1002.95 cw(c886.89,1102.95) 816.18,1032.24 741.89,1106.54 ccw(c671.18,1035.83) 671.18,1135.83 574.8,1135.83
  region net 5V: 3330.71,3018.7 3453.22,3018.7 cw(c3453.22,2941.41) 3507.87,2996.06 3507.87,2963.58 cw(c3457.97,3013.48) 3457.97,2942.91 3330.71,2942.91
  region net 5V: 2448.82,2941.93 2570.35,2941.93 ccw(c2570.35,3019.22) 2625,2964.57 2625,2996.06 ccw(c2572.72,2943.79) 2572.72,3017.72 2448.82,3017.72
  region net 5V: 1475.39,2835.63 1569.88,2835.63 ccw(c1569.88,2911.67) 1623.65,2857.9 1649.61,2883.86 1649.61,2915.35 1475.39,2915.35
  region net 5V: 2275.59,2227.36 ccw(c2287.4,2227.36) 2287.4,2215.55 cw(c2287.4,2200.79) 2302.17,2200.79 2302.17,2175.2 2325.79,2175.2 2325.79,2198.82 cw(c2341.54,2198.82) 2341.54,2214.57 ccw(c2341.54,2226.38) 2353.35,2226.38 2353.35,2227.36 ccw(c2341.54,2227.36) 2341.54,2239.17 2287.4,2239.17 ccw(c2287.4,2227.36)
  region net NetC37_1: 850.39,854.33 850.39,728.35 836.38,714.33 cw(c765.67,785.04) 765.67,685.04 527.56,685.04 527.56,1025.51 cw(c627.56,1025.51) 556.85,1096.22 574.8,1114.17 661.42,1114.17 661.42,1084.73 ccw(c761.42,1084.73) 690.71,1014.02
  region net XTAL2: 3125.98,2027.56 cw(c3181.1,2027.56) 3181.1,2082.68 3232.28,2082.68 cw(c3232.28,2047.24) 3267.72,2047.24 3267.72,2019.69 3393.7,2019.69 ccw(c3393.7,2031.5) 3405.51,2031.5 3405.51,2059.06 ccw(c3366.14,2059.06) 3366.14,2098.43 3011.81,2098.43 ccw(c3011.81,2074.8) 2988.19,2074.8 2988.19,2062.99
  region net XTAL1: 2755.91,2003.94 3240.16,2003.94 3240.16,1912.03 cw(c3186.4,1912.03) 3224.41,1874.02 3192.91,1874.02 ccw(c3145.4,1874.02) 3178.99,1907.62 3125.98,1960.63 3070.87,1960.63 ccw(c3010.04,1907.88) 3015.75,1988.19 2755.91,1988.19
  region net XTAL2: 2988.19,2015.75 3023.62,2015.75 cw(c3052.14,1987.23) 3052.14,2027.56 3125.98,2027.56 3125.98,2062.99 3052.14,2062.99 cw(c3052.14,2103.32) 3023.62,2074.8 2988.19,2074.8
  region net NetR61_2: 2751.97,2015.75 2751.97,2039.37 2885.83,2039.37 ccw(c2885.83,2074.8) 2921.26,2074.8 2956.69,2074.8 2956.69,2015.75
  region net 5V: 2736.22,1945.87 ccw(c2736.22,1934.06) 2724.41,1934.06 2724.41,1894.69 2720.02,1890.29 ccw(c2728.42,1881.89) 2716.54,1881.89 ccw(c2729.33,1881.89) 2729.33,1869.09 ccw(c2729.33,1880.91) 2741.14,1880.91 2741.14,1918.31 cw(c2746.06,1918.31) 2746.06,1923.23 ccw(c2746.06,1927.17) 2750,1927.17 2750,1933.07 ccw(c2737.2,1933.07) 2737.2,1945.87
  region net NetD8_1: 1033.46,861.22 1542.24,861.22 cw(c1542.24,761.22) 1612.95,831.93 1709.65,735.24 cw(c1678.76,704.35) 1722.44,704.35 1722.44,677.17 cw(c1684.42,677.17) 1711.31,650.28 1706.69,645.67 cw(c1675.8,676.56) 1675.8,632.87 1669.15,632.87 cw(c1669.15,715.69) 1610.59,657.13 1556.1,711.61 ccw(c1525.21,680.72) 1525.21,724.41 1033.46,724.41
Bottom Layer:
  region net 5V: 2312.59,1852.36 2311.61,1853.35 2298.23,1853.35 ccw(c2298.23,1830.05) 2274.93,1830.05 2274.93,1817.59 ccw(c2290.35,1817.59) 2290.35,1802.17 2314.96,1802.17 ccw(c2314.96,1823.82) 2336.61,1823.82
  region net 5V: 747.05,1940.94 735.24,1929.13 690.55,1929.13 ccw(c690.55,1829.13) 590.55,1829.13 590.55,1716.54 ccw(c630.91,1716.54) 630.91,1676.18 807.09,1676.18 ccw(c807.09,1707.68) 838.58,1707.68 838.58,1914.37 ccw(c812.01,1914.37) 812.01,1940.94

## Silkscreen, mask and mechanical layers (free items; w line width, h text height)
Top Overlay:
  lines w10: 288.11,1956.69 323.55,1956.69 ; 305.83,1938.98 305.83,1974.41 ; 305.83,2124.02 305.83,2159.45 ; 1090.55,3396.54 1122.05,3396.54 ; 1665.35,350.39 1700.79,350.39 ; 1850.39,350.39 1885.83,350.39 ; 1868.11,332.68 1868.11,368.11 ; 2084.84,3286.3 2116.34,3286.3 ; 2100.59,3270.55 2100.59,3302.05 ; 2100.59,3368.98 2100.59,3400.47 ; 2100.59,3463.46 2100.59,3494.96 ; 2966.73,3286.3 2998.23,3286.3 ; 2982.48,3270.55 2982.48,3302.05 ; 2982.48,3368.98 2982.48,3400.47 ; 2982.48,3463.46 2982.48,3494.96
  lines w12: 2675.2,3224.41 2675.2,3231.3 2693.9,3250
  text "-" at 316.27,3406.83 h39.37 r180
  text "c" at 410.76,3406.83 h39.37 r180
  text "+" at 505.24,3406.83 h39.37 r180
  text "z" at 623.36,3406.83 h39.37 r180
  text "x" at 812.33,3406.83 h39.37 r180
  text "c" at 1209.97,3406.83 h39.37 r180
  text "s-" at 1332.02,3406.83 h39.37 r180
  text "s+" at 1426.5,3406.83 h39.37 r180
  text "s-" at 2345.99,3406.83 h39.37 r180
  text "s+" at 2440.48,3406.83 h39.37 r180
  text "s-" at 3227.88,3406.83 h39.37 r180
  text "s+" at 3322.37,3406.83 h39.37 r180
  text "-" at 3969.81,3403.99 h39.37 r180
  text "+" at 4064.3,3403.99 h39.37 r180
  text "-" at 4737.53,3403.99 h39.37 r180
  text "+" at 4832.02,3403.99 h39.37 r180
  text "y" at 717.52,3400.59 h39.37 r180
  text "Thermocouple 1" at 5062.99,3357.28 h40 r180
  text "Thermocouple 2" at 4263.78,3353.35 h40 r180
  text "Vibration" at 704.72,3351.7 h40 r180
  text "CKP" at 1307.09,3351.7 h40 r180
  text "LoadCell 2" at 2563.79,3351.7 h40 r180
  text "LoadCell 1" at 3439.12,3351.7 h40 r180
  text "MCU SCK" at 4616.83,2503.94 h50
  text "UART TX" at 4608.95,2157.48 h50
  text "5V" at 352.36,2117.76 h78.74 r270
  text "Brake / Testbench /  2.0" at 965.55,1891.73 h100
  text "UART RX" at 4624.7,1822.83 h50
  text "Out/2018" at 1282.48,1744.09 h80
  text "PROG / HEADER" at 3522.64,1677.17 h50
  text "DIN3" at 3005.93,1001.58 h40
  text "DIN2" at 3395.69,1001.58 h40
  text "DIN1" at 3784.14,1001.58 h40
  text "-" at 3040.68,936.17 h39.37
  text "+" at 3135.17,936.17 h39.37
  text "-" at 3430.44,936.17 h39.37
  text "+" at 3524.93,936.17 h39.37
  text "-" at 3812.33,936.17 h39.37
  text "+" at 3906.82,936.17 h39.37
  text "Produced By:  / Joao Guimaraes / joaoguimaraes31 / @gmail.com" at 1501.97,910.43 h80
  text "DOUT3" at 2982.97,417.32 h40
  text "DOUT2" at 3372.73,417.32 h40
  text "DOUT1" at 3754.62,417.32 h40
  text "AOUT2" at 4376.67,417.32 h40
  text "AOUT1" at 4728.35,417.32 h40
  text "VCC IN" at 1573.82,396.65 h78.74
  text "-" at 3040.68,351.91 h39.37
  text "+" at 3135.17,351.91 h39.37
  text "-" at 3430.44,351.91 h39.37
  text "+" at 3524.93,351.91 h39.37
  text "-" at 3812.33,351.91 h39.37
  text "+" at 3906.82,351.91 h39.37
  text "-" at 4434.38,351.91 h39.37
  text "+" at 4528.87,351.91 h39.37
  text "-" at 4784.77,351.91 h39.37
  text "+" at 4879.26,351.91 h39.37
  text "USB" at 2172.24,68.9 h50 r90
Bottom Overlay:
  lines w12: 4929.13,3045.28 5002.95,3119.09 5026.57,3119.09
  text "Brake / Testbench /  2.0" at 1812.01,1871.06 h100
  text "Out/2018" at 1681.1,1700.79 h80
  text "Produced By:  / Joao Guimaraes / joaoguimaraes31@gmail.com" at 2641.73,920.28 h80
Outline:
  the board outline again, w10
FabInfo:
  drawing of 409 lines, arcs and shapes, not listed
  text "Layer" at 25.5,4865.91 h60
  text "Name" at 435.41,4865.91 h60
  text "Material" at 1365.16,4865.91 h60
  text "Thickness" at 2224.92,4865.91 h60
  text "Constant" at 2874.76,4865.91 h60
  text "Board Layer Stack" at 3444.62,4865.91 h60
  text "Board Layer Stack" at 4564.3,4865.91 h60
  text "Board Layer Stack" at 5683.99,4865.91 h60
  text "1" at 25.5,4745.91 h60
  text "Top Overlay" at 435.41,4745.91 h60
  text "2" at 25.5,4625.91 h60
  text "Top Solder" at 435.41,4625.91 h60
  text "Solder Resist" at 1365.16,4625.91 h60
  text "0,015mm" at 2224.92,4625.91 h60
  text "4" at 2874.76,4625.91 h60
  text "3" at 25.5,4505.91 h60
  text "Top Layer" at 435.41,4505.91 h60
  text "Copper" at 1365.16,4505.91 h60
  text "0,035mm" at 2224.92,4505.91 h60
  text "4" at 25.5,4385.91 h60
  text "UT" at 435.41,4385.91 h60
  text "FR-4" at 1365.16,4385.91 h60
  text "1,500mm" at 2224.92,4385.91 h60
  text "4" at 2874.76,4385.91 h60
  text "5" at 25.5,4265.91 h60
  text "Bottom Layer" at 435.41,4265.91 h60
  text "Copper" at 1365.16,4265.91 h60
  text "0,035mm" at 2224.92,4265.91 h60
  text "6" at 25.5,4145.91 h60
  text "Bottom Solder" at 435.41,4145.91 h60
  text "Solder Resist" at 1365.16,4145.91 h60
  text "0,015mm" at 2224.92,4145.91 h60
  text "4" at 2874.76,4145.91 h60
  text "7" at 25.5,4025.91 h60
  text "Bottom Overlay" at 435.41,4025.91 h60
  text "PCB SPECIFICATIONS" at 5634.37,3339.02 h150
  text "MATERIAL:" at 5719.37,3224.02 h50
  text "FR4 Fiberglass: 1.6mm +/- 10%" at 6309.37,3224.02 h50
  text "Prepegs per IPC4101" at 6309.37,3139.02 h50
  text "LAYERS:" at 5734.37,3014.02 h50
  text "Multilayer PCB: Dual Layer;" at 6304.37,3009.02 h50
  text "PCB Finishing:" at 5729.37,2874.02 h50
  text "HASL (Hot Air Solder Leveling) - IPC-A-600;" at 5869.37,2749.02 h50
  text "ENIG (Electroless nickel immersion gold):" at 5864.37,2619.02 h50
  text "3.0~6.0 um (Ni)  + 0.05 [MIN]  um (Au) - IPC-4552." at 6139.37,2534.02 h50
  text "SOLDER MASK:" at 5704.37,2394.02 h50
  text "GREEN" at 6549.37,2389.02 h50
  text "SILKSCREEN:" at 5704.37,2279.02 h50
  text "Top Overlay" at 5864.37,2144.02 h50
  text "Bottom Overlay" at 6714.37,2144.02 h50
  text "COLOR:" at 5704.37,2039.02 h50
  text "WHITE" at 6129.37,2039.02 h50
  text "VIA FINISHING:" at 5689.37,1879.02 h50
  text "Plugged" at 7309.37,1744.02 h50
  text "Tenting" at 5849.37,1734.02 h50
  text "Button" at 6699.37,1734.02 h50
  text "NOTES (UNLESS OTHERWISE SPECIFIED):" at 5679.37,1569.02 h50
  text "1 - Dimensions in millimeters. Tolerance: +/- 0.2 mm;" at 5679.37,1459.02 h50
  text "2 - Maximum bending and torsion: 1%;" at 5669.37,1369.02 h50
  text "3 - PCB Electrical Testing needed;" at 5669.37,1289.02 h50
  text "4 - Use the files sent with the documentation for the drilling process;" at 5669.37,1209.02 h50
  text "5 - Follow MANDATORILY the stack-up and the copper's (Cu)" at 5669.37,1129.02 h50
  text "thickness indicated in the LAYER STACK TABLE;" at 5809.37,1049.02 h50
  text "6 - Follow the standard IPC-A-600 Class 2" at 5669.37,969.02 h50
  text "7 - Use the indicated area for the insertion of the PCB" at 5669.37,884.02 h50
  text "manufacturer's logo and other information." at 5844.37,809.02 h50
Drill Drawing:
  circle w10: c34.17,5784.12 r33.33
  lines w10: 0.83,5334.12 34.17,5300.79 67.5,5334.12 34.17,5367.45 0.83,5334.12 ; 0.83,5517.45 67.5,5517.45 34.17,5450.79 0.83,5517.45 ; 0.83,5600.79 67.5,5600.79 67.5,5667.45 0.83,5667.45 0.83,5600.79 ; 0.83,5917.45 17.5,5917.45 34.17,5900.79 50.83,5917.45 67.5,5917.45 50.83,5934.12 67.5,5950.79 50.83,5950.79 34.17,5967.45 17.5,5950.79 0.83,5950.79 17.5,5934.12 0.83,5917.45 ; 0.83,6050.79 67.5,6050.79 67.5,6117.45 0.83,6117.45 0.83,6050.79 ; 0.83,6217.45 17.5,6217.45 17.5,6200.79 50.83,6200.79 50.83,6217.45 67.5,6217.45 67.5,6250.79 50.83,6250.79 50.83,6267.45 17.5,6267.45 17.5,6250.79 0.83,6250.79 0.83,6217.45 ; 0.83,6350.79 34.17,6367.45 67.5,6350.79 50.83,6384.12 67.5,6417.45 34.17,6400.79 0.83,6417.45 17.5,6384.12 0.83,6350.79 ; 14.17,6064.12 54.17,6064.12 54.17,6104.12 14.17,6104.12 14.17,6064.12
  lines w15: -58.96,5255.79 7151.08,5255.79 ; -58.96,6455.79 7151.08,6455.79 ; 491.92,5105.79 491.92,6605.79 ; 1131.74,5105.79 1131.74,6605.79 ; 2221.43,5105.79 2221.43,6605.79 ; 2727.3,5105.79 2727.3,6605.79 ; 3461.11,5105.79 3461.11,6605.79 ; 4960.66,5105.79 4960.66,6605.79 ; 5550.5,5105.79 5550.5,6605.79 ; 6296.3,5105.79 6296.3,6605.79 ; -58.96,5105.79 7151.08,5105.79 7151.08,6605.79 -58.96,6605.79 -58.96,5105.79
  text "Symbol" at 31.04,6500.79 h72
  text "Count" at 536.92,6500.79 h72
  text "Hole Size" at 1176.74,6500.79 h72
  text "Plated" at 2266.43,6500.79 h72
  text "Hole Type" at 2772.3,6500.79 h72
  text "Drill Layer Pair" at 3506.11,6500.79 h72
  text "Via/Pad" at 5005.66,6500.79 h72
  text "Pad Shape" at 5595.5,6500.79 h72
  text "Template" at 6341.3,6500.79 h72
  text "2" at 536.92,6350.79 h60
  text "1.50mm (59.06mil)" at 1176.74,6350.79 h60
  text "PTH" at 2266.43,6350.79 h60
  text "Round" at 2772.3,6350.79 h60
  text "Top Layer - Bottom Layer" at 3506.11,6350.79 h60
  text "Pad" at 5005.66,6350.79 h60
  text "Rounded" at 5595.5,6350.79 h60
  text "c305h150" at 6341.3,6350.79 h60
  text "2" at 536.92,6200.79 h60
  text "2.30mm (90.55mil)" at 1176.74,6200.79 h60
  text "PTH" at 2266.43,6200.79 h60
  text "Round" at 2772.3,6200.79 h60
  text "Top Layer - Bottom Layer" at 3506.11,6200.79 h60
  text "Pad" at 5005.66,6200.79 h60
  text "Rounded" at 5595.5,6200.79 h60
  text "c350h230" at 6341.3,6200.79 h60
  text "4" at 536.92,6050.79 h60
  text "0.90mm (35.43mil)" at 1176.74,6050.79 h60
  text "PTH" at 2266.43,6050.79 h60
  text "Round" at 2772.3,6050.79 h60
  text "Top Layer - Bottom Layer" at 3506.11,6050.79 h60
  text "Pad" at 5005.66,6050.79 h60
  text "Rounded" at 5595.5,6050.79 h60
  text "c160h90" at 6341.3,6050.79 h60
  text "4" at 536.92,5900.79 h60
  text "2.00mm (78.74mil)" at 1176.74,5900.79 h60
  text "PTH" at 2266.43,5900.79 h60
  text "Round" at 2772.3,5900.79 h60
  text "Top Layer - Bottom Layer" at 3506.11,5900.79 h60
  text "Pad" at 5005.66,5900.79 h60
  text "(Mixed)" at 5595.5,5900.79 h60
  text "(Mixed)" at 6341.3,5900.79 h60
  text "4" at 536.92,5750.79 h60
  text "3.50mm (137.80mil)" at 1176.74,5750.79 h60
  text "NPTH" at 2266.43,5750.79 h60
  text "Round" at 2772.3,5750.79 h60
  text "Top Layer - Bottom Layer" at 3506.11,5750.79 h60
  text "Pad" at 5005.66,5750.79 h60
  text "Rounded" at 5595.5,5750.79 h60
  text "c0hn350m0mx0" at 6341.3,5750.79 h60
  text "40" at 536.92,5600.79 h60
  text "1.20mm (47.24mil)" at 1176.74,5600.79 h60
  text "PTH" at 2266.43,5600.79 h60
  text "Round" at 2772.3,5600.79 h60
  text "Top Layer - Bottom Layer" at 3506.11,5600.79 h60
  text "Pad" at 5005.66,5600.79 h60
  text "(Mixed)" at 5595.5,5600.79 h60
  text "(Mixed)" at 6341.3,5600.79 h60
  text "50" at 536.92,5450.79 h60
  text "1.00mm (39.37mil)" at 1176.74,5450.79 h60
  text "PTH" at 2266.43,5450.79 h60
  text "Round" at 2772.3,5450.79 h60
  text "Top Layer - Bottom Layer" at 3506.11,5450.79 h60
  text "Pad" at 5005.66,5450.79 h60
  text "(Mixed)" at 5595.5,5450.79 h60
  text "(Mixed)" at 6341.3,5450.79 h60
  text "1310" at 536.92,5300.79 h60
  text "0.30mm (11.81mil)" at 1176.74,5300.79 h60
  text "PTH" at 2266.43,5300.79 h60
  text "Round" at 2772.3,5300.79 h60
  text "Top Layer - Bottom Layer" at 3506.11,5300.79 h60
  text "Via" at 5005.66,5300.79 h60
  text "Rounded" at 5595.5,5300.79 h60
  text "(Mixed)" at 6341.3,5300.79 h60
  text "1416 Total" at 536.92,5150.79 h60

## Dimensions
2952.76,0 to 2952.76,157.48 on Cotas
2952.76,0 to 5118.11,157.48 on Cotas
0,0 to 2952.76,0 on Cotas
0,0 to 5118.11,157.48 on Cotas
0,3622.05 to 0,0 on Cotas

## Text inside footprints (layer, text, board x,y; h text height)
C37: Top Overlay "+" at 657.58,676.22 h60 r270
C38: Top Overlay "+" at 691.24,1800.8 h60 r180
LED1: Top Overlay "+" at 5039.13,359.08 h45
LED2: Top Overlay "+" at 4688.73,359.08 h45
LED3: Top Overlay "+" at 4082.43,374.82 h45
LED4: Top Overlay "+" at 3700.54,374.82 h45
LED5: Top Overlay "+" at 3310.78,374.82 h45
LED6: Top Overlay "+" at 4082.43,955.15 h45
LED7: Top Overlay "+" at 3700.54,955.15 h45
LED8: Top Overlay "+" at 3310.78,955.15 h45
LED9: Top Overlay "+" at 2718.95,3386.28 h45 r180
LED10: Top Overlay "+" at 1837.06,3386.28 h45 r180
LED11: Top Overlay "+" at 4932.26,2381.02 h45 r90
LED12: Top Overlay "+" at 4936.2,1703.23 h45 r90
LED13: Top Overlay "+" at 4932.26,2027.32 h45 r90
LED14: Top Overlay "+" at 901.82,3386.28 h45 r180
LED15: Top Overlay "+" at 4374.26,3383.44 h45 r180
LED16: Top Overlay "+" at 3598.67,3383.44 h45 r180
LED17: Top Overlay "+" at 106.54,3386.28 h45 r180
P13: Top Overlay "2" at 3465.55,1681.1 h35; Top Overlay "1" at 3469.49,1779.53 h35; Top Overlay "5" at 3106.3,1776.57 h35; Top Overlay "6" at 3103.35,1670.28 h35